# KiCad board protoboard-6x4-breakout.kicad_pcb (continued)
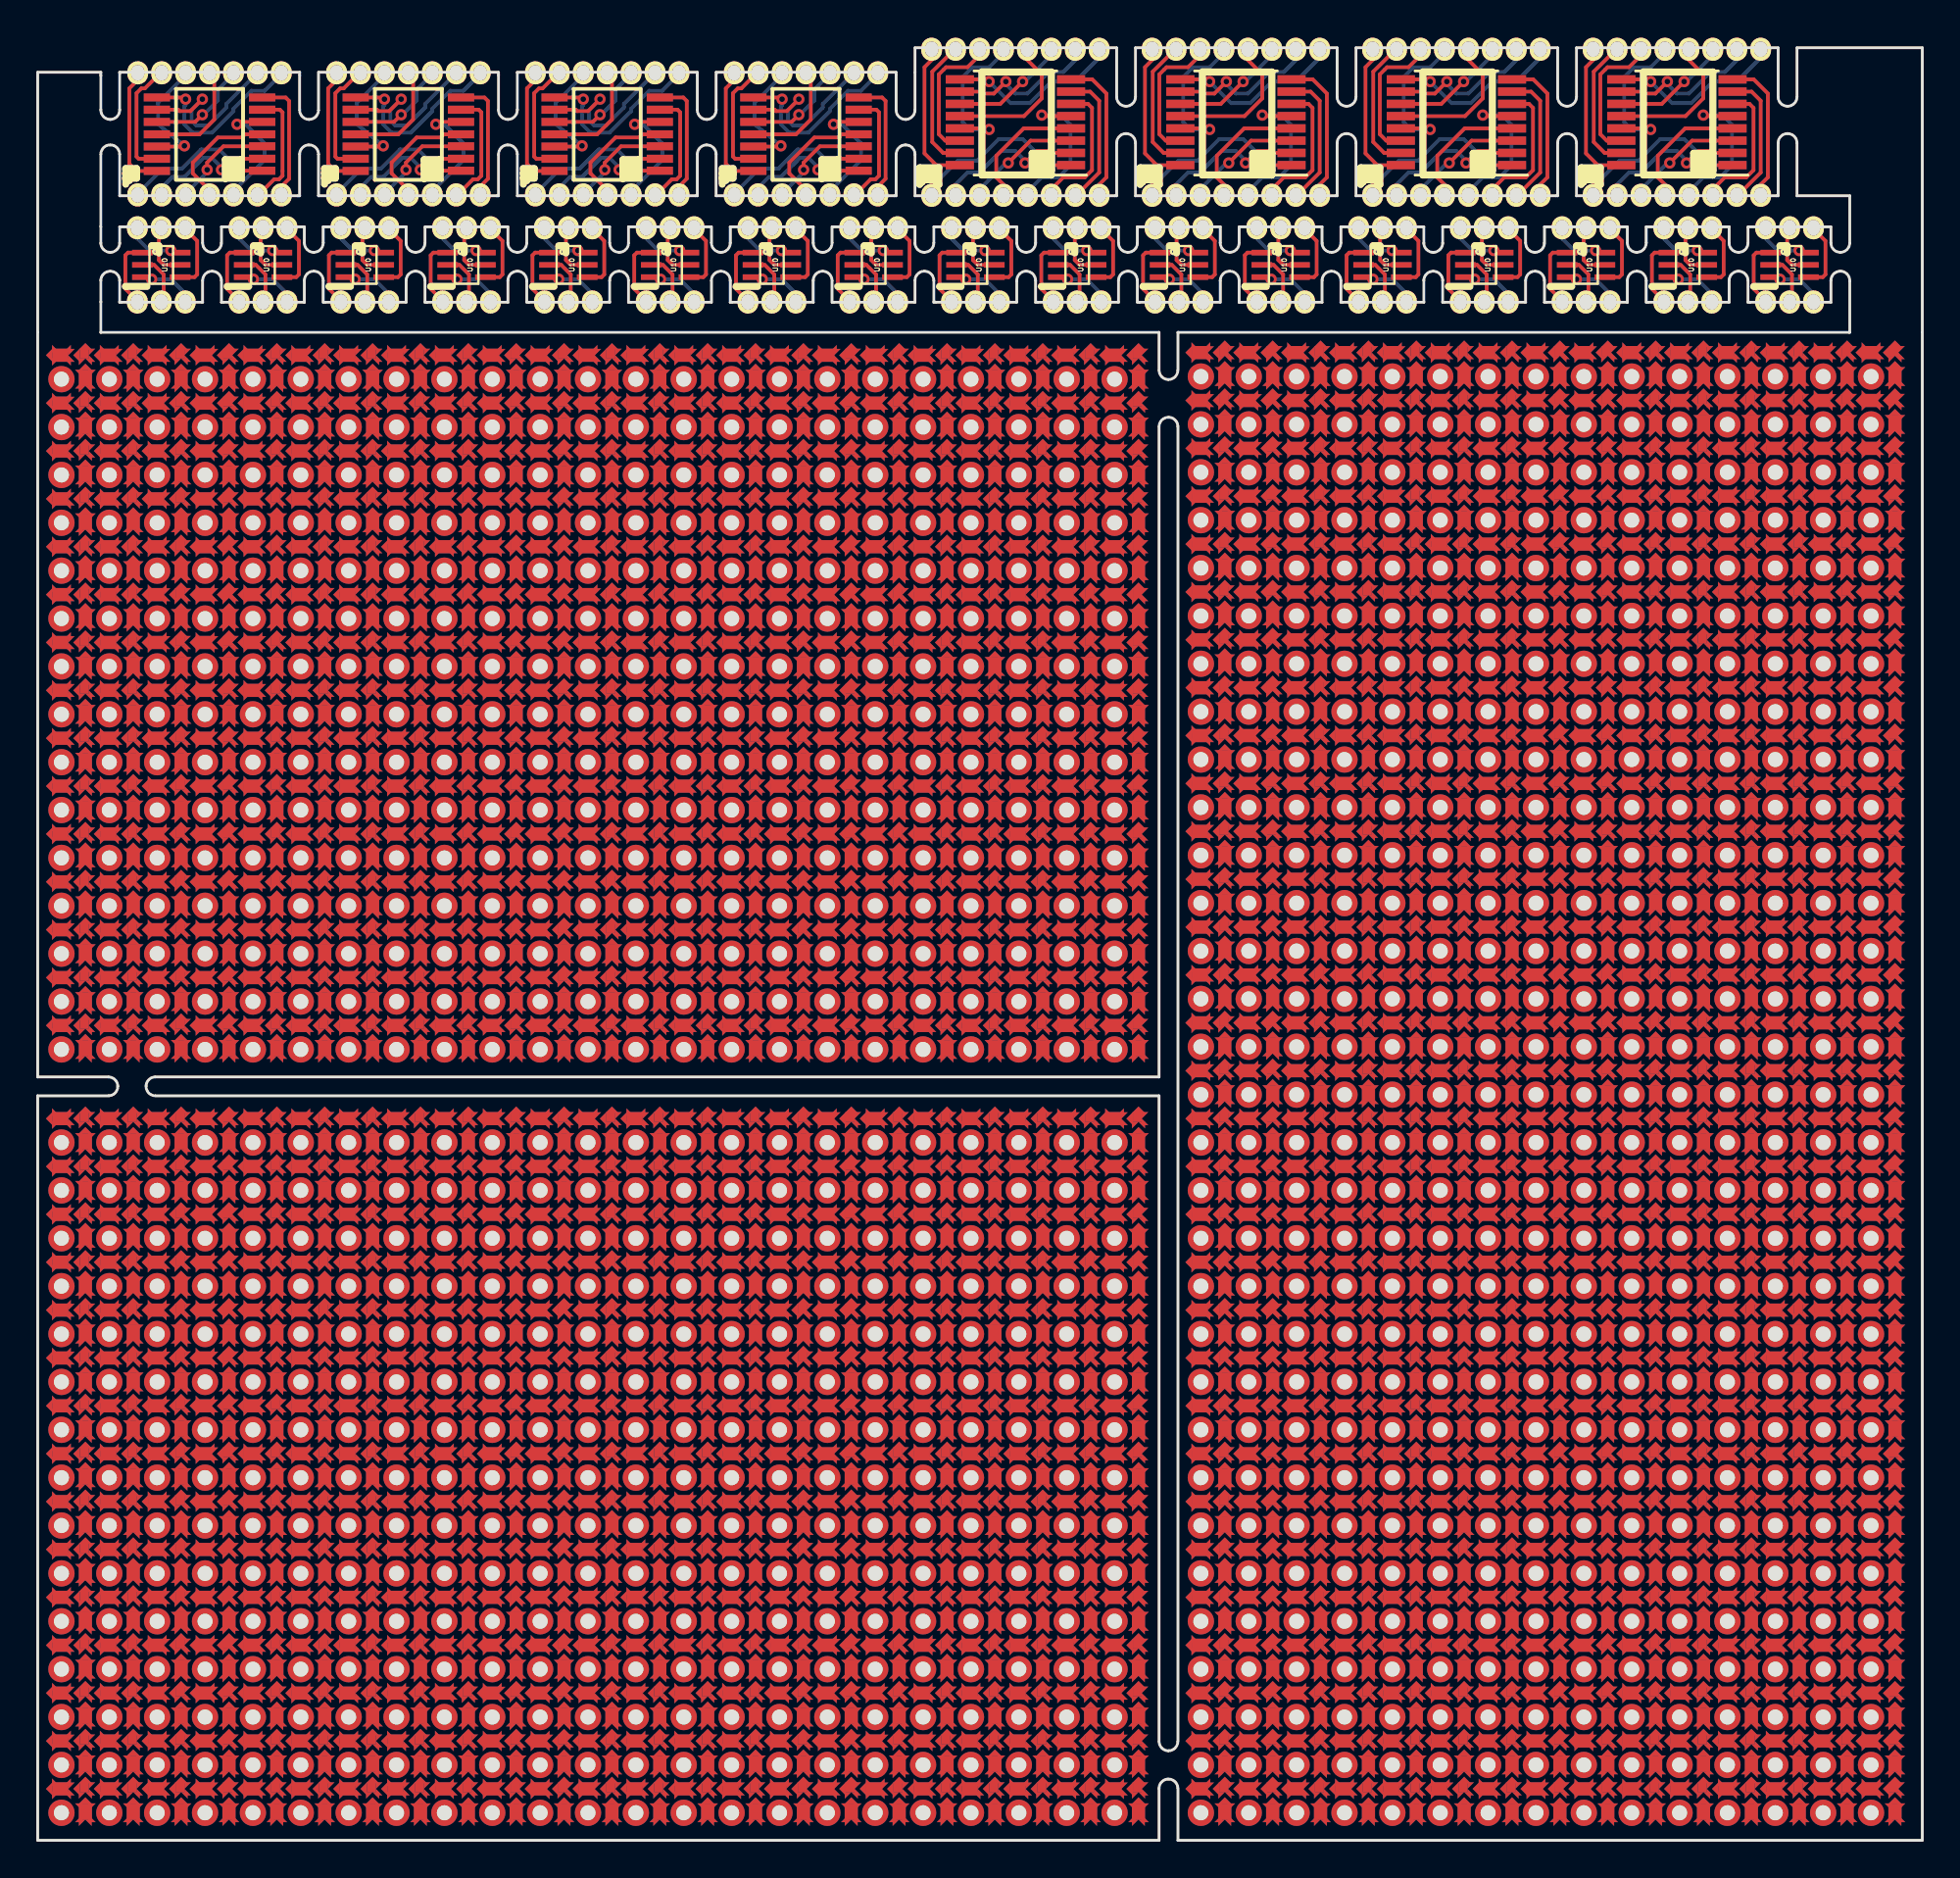
[diagram p0: board, top side]
## Placement (name value [footprint] x y rotation side) (continued)
REF**#2048  pad-between  [pad-between-spiked]  1.26 55.93 90 top
REF**#2049  pad-between  [pad-between-spiked]  8.88 55.93 90 top
REF**#2050  pad-between  [pad-between-spiked]  11.42 55.93 90 top
REF**#2051  center-pad  [center-pad-spikes]  10.15 55.93 0 top
REF**#2052  center-pad  [center-pad-spikes]  12.69 55.93 0 top
REF**#2053  pad-between  [pad-between-spiked]  13.96 55.93 90 top
REF**#2054  center-pad  [center-pad-spikes]  15.23 55.93 0 top
REF**#2055  center-pad  [center-pad-spikes]  15.23 53.39 0 top
REF**#2056  pad-between  [pad-between-spiked]  15.23 52.12 0 top
REF**#2057  pad-between  [pad-between-spiked]  15.23 54.66 0 top
REF**#2058  pad-between  [pad-between-spiked]  13.96 53.39 90 top
REF**#2059  pad-between  [pad-between-spiked]  12.69 54.66 0 top
REF**#2060  pad-between  [pad-between-spiked]  12.69 52.12 0 top
REF**#2061  center-pad  [center-pad-spikes]  12.69 53.39 0 top
REF**#2062  center-pad  [center-pad-spikes]  10.15 53.39 0 top
REF**#2063  pad-between  [pad-between-spiked]  10.15 52.12 0 top
REF**#2064  pad-between  [pad-between-spiked]  10.15 54.66 0 top
REF**#2065  pad-between  [pad-between-spiked]  11.42 53.39 90 top
REF**#2066  pad-between  [pad-between-spiked]  8.88 53.39 90 top
REF**#2067  -  [tht-0.8]  13.96 54.66 0 top
REF**#2068  -  [tht-0.8]  11.42 54.66 0 top
REF**#2069  -  [tht-0.8]  8.88 54.66 0 top
REF**#2070  -  [tht-0.8]  8.88 52.12 0 top
REF**#2071  -  [tht-0.8]  11.42 52.12 0 top
REF**#2072  -  [tht-0.8]  13.96 52.12 0 top
REF**#2073  -  [tht-0.8]  29.2 52.12 0 top
REF**#2074  -  [tht-0.8]  26.66 52.12 0 top
REF**#2075  -  [tht-0.8]  24.12 52.12 0 top
REF**#2076  -  [tht-0.8]  24.12 54.66 0 top
REF**#2077  -  [tht-0.8]  26.66 54.66 0 top
REF**#2078  -  [tht-0.8]  29.2 54.66 0 top
REF**#2079  pad-between  [pad-between-spiked]  24.12 53.39 90 top
REF**#2080  pad-between  [pad-between-spiked]  26.66 53.39 90 top
REF**#2081  pad-between  [pad-between-spiked]  25.39 54.66 0 top
REF**#2082  pad-between  [pad-between-spiked]  25.39 52.12 0 top
REF**#2083  center-pad  [center-pad-spikes]  25.39 53.39 0 top
REF**#2084  center-pad  [center-pad-spikes]  27.93 53.39 0 top
REF**#2085  pad-between  [pad-between-spiked]  27.93 52.12 0 top
REF**#2086  pad-between  [pad-between-spiked]  27.93 54.66 0 top
REF**#2087  pad-between  [pad-between-spiked]  29.2 53.39 90 top
REF**#2088  pad-between  [pad-between-spiked]  30.47 54.66 0 top
REF**#2089  pad-between  [pad-between-spiked]  30.47 52.12 0 top
REF**#2090  center-pad  [center-pad-spikes]  30.47 53.39 0 top
REF**#2091  center-pad  [center-pad-spikes]  30.47 55.93 0 top
REF**#2092  pad-between  [pad-between-spiked]  29.2 55.93 90 top
REF**#2093  center-pad  [center-pad-spikes]  27.93 55.93 0 top
REF**#2094  center-pad  [center-pad-spikes]  25.39 55.93 0 top
REF**#2095  pad-between  [pad-between-spiked]  26.66 55.93 90 top
REF**#2096  pad-between  [pad-between-spiked]  24.12 55.93 90 top
REF**#2097  pad-between  [pad-between-spiked]  16.5 55.93 90 top
REF**#2098  pad-between  [pad-between-spiked]  19.04 55.93 90 top
REF**#2099  center-pad  [center-pad-spikes]  17.77 55.93 0 top
REF**#2100  center-pad  [center-pad-spikes]  20.31 55.93 0 top
REF**#2101  pad-between  [pad-between-spiked]  21.58 55.93 90 top
REF**#2102  center-pad  [center-pad-spikes]  22.85 55.93 0 top
REF**#2103  center-pad  [center-pad-spikes]  22.85 53.39 0 top
REF**#2104  pad-between  [pad-between-spiked]  22.85 52.12 0 top
REF**#2105  pad-between  [pad-between-spiked]  22.85 54.66 0 top
REF**#2106  pad-between  [pad-between-spiked]  21.58 53.39 90 top
REF**#2107  pad-between  [pad-between-spiked]  20.31 54.66 0 top
REF**#2108  pad-between  [pad-between-spiked]  20.31 52.12 0 top
REF**#2109  center-pad  [center-pad-spikes]  20.31 53.39 0 top
REF**#2110  center-pad  [center-pad-spikes]  17.77 53.39 0 top
REF**#2111  pad-between  [pad-between-spiked]  17.77 52.12 0 top
REF**#2112  pad-between  [pad-between-spiked]  17.77 54.66 0 top
REF**#2113  pad-between  [pad-between-spiked]  19.04 53.39 90 top
REF**#2114  pad-between  [pad-between-spiked]  16.5 53.39 90 top
REF**#2115  -  [tht-0.8]  21.58 54.66 0 top
REF**#2116  -  [tht-0.8]  19.04 54.66 0 top
REF**#2117  -  [tht-0.8]  16.5 54.66 0 top
REF**#2118  -  [tht-0.8]  16.5 52.12 0 top
REF**#2119  -  [tht-0.8]  19.04 52.12 0 top
REF**#2120  -  [tht-0.8]  21.58 52.12 0 top
REF**#2121  -  [tht-0.8]  52.06 52.12 0 top
REF**#2122  -  [tht-0.8]  49.52 52.12 0 top
REF**#2123  -  [tht-0.8]  46.98 52.12 0 top
REF**#2124  -  [tht-0.8]  46.98 54.66 0 top
REF**#2125  -  [tht-0.8]  49.52 54.66 0 top
REF**#2126  -  [tht-0.8]  52.06 54.66 0 top
REF**#2127  pad-between  [pad-between-spiked]  46.98 53.39 90 top
REF**#2128  pad-between  [pad-between-spiked]  49.52 53.39 90 top
REF**#2129  pad-between  [pad-between-spiked]  48.25 54.66 0 top
REF**#2130  pad-between  [pad-between-spiked]  48.25 52.12 0 top
REF**#2131  center-pad  [center-pad-spikes]  48.25 53.39 0 top
REF**#2132  center-pad  [center-pad-spikes]  50.79 53.39 0 top
REF**#2133  pad-between  [pad-between-spiked]  50.79 52.12 0 top
REF**#2134  pad-between  [pad-between-spiked]  50.79 54.66 0 top
REF**#2135  pad-between  [pad-between-spiked]  52.06 53.39 90 top
REF**#2136  pad-between  [pad-between-spiked]  53.33 54.66 0 top
REF**#2137  pad-between  [pad-between-spiked]  53.33 52.12 0 top
REF**#2138  center-pad  [center-pad-spikes]  53.33 53.39 0 top
REF**#2139  center-pad  [center-pad-spikes]  53.33 55.93 0 top
REF**#2140  pad-between  [pad-between-spiked]  52.06 55.93 90 top
REF**#2141  center-pad  [center-pad-spikes]  50.79 55.93 0 top
REF**#2142  center-pad  [center-pad-spikes]  48.25 55.93 0 top
REF**#2143  pad-between  [pad-between-spiked]  49.52 55.93 90 top
REF**#2144  pad-between  [pad-between-spiked]  46.98 55.93 90 top
REF**#2145  pad-between  [pad-between-spiked]  54.6 55.93 90 top
REF**#2146  pad-between  [pad-between-spiked]  57.14 55.93 90 top
REF**#2147  center-pad  [center-pad-spikes]  55.87 55.93 0 top
REF**#2148  center-pad  [center-pad-spikes]  58.41 55.93 0 top
REF**#2149  pad-between  [pad-between-spiked]  58.41 54.66 0 top
REF**#2150  pad-between  [pad-between-spiked]  58.41 52.12 0 top
REF**#2151  center-pad  [center-pad-spikes]  58.41 53.39 0 top
REF**#2152  center-pad  [center-pad-spikes]  55.87 53.39 0 top
REF**#2153  pad-between  [pad-between-spiked]  55.87 52.12 0 top
REF**#2154  pad-between  [pad-between-spiked]  55.87 54.66 0 top
REF**#2155  pad-between  [pad-between-spiked]  57.14 53.39 90 top
REF**#2156  pad-between  [pad-between-spiked]  54.6 53.39 90 top
REF**#2157  -  [tht-0.8]  57.14 54.66 0 top
REF**#2158  -  [tht-0.8]  54.6 54.66 0 top
REF**#2159  -  [tht-0.8]  54.6 52.12 0 top
REF**#2160  -  [tht-0.8]  57.14 52.12 0 top
REF**#2161  -  [tht-0.8]  44.44 52.12 0 top
REF**#2162  -  [tht-0.8]  41.9 52.12 0 top
REF**#2163  -  [tht-0.8]  39.36 52.12 0 top
REF**#2164  -  [tht-0.8]  39.36 54.66 0 top
REF**#2165  -  [tht-0.8]  41.9 54.66 0 top
REF**#2166  -  [tht-0.8]  44.44 54.66 0 top
REF**#2167  pad-between  [pad-between-spiked]  39.36 53.39 90 top
REF**#2168  pad-between  [pad-between-spiked]  41.9 53.39 90 top
REF**#2169  pad-between  [pad-between-spiked]  40.63 54.66 0 top
REF**#2170  pad-between  [pad-between-spiked]  40.63 52.12 0 top
REF**#2171  center-pad  [center-pad-spikes]  40.63 53.39 0 top
REF**#2172  center-pad  [center-pad-spikes]  43.17 53.39 0 top
REF**#2173  pad-between  [pad-between-spiked]  43.17 52.12 0 top
REF**#2174  pad-between  [pad-between-spiked]  43.17 54.66 0 top
REF**#2175  pad-between  [pad-between-spiked]  44.44 53.39 90 top
REF**#2176  pad-between  [pad-between-spiked]  45.71 54.66 0 top
REF**#2177  pad-between  [pad-between-spiked]  45.71 52.12 0 top
REF**#2178  center-pad  [center-pad-spikes]  45.71 53.39 0 top
REF**#2179  center-pad  [center-pad-spikes]  45.71 55.93 0 top
REF**#2180  pad-between  [pad-between-spiked]  44.44 55.93 90 top
REF**#2181  center-pad  [center-pad-spikes]  43.17 55.93 0 top
REF**#2182  center-pad  [center-pad-spikes]  40.63 55.93 0 top
REF**#2183  pad-between  [pad-between-spiked]  41.9 55.93 90 top
REF**#2184  pad-between  [pad-between-spiked]  39.36 55.93 90 top
REF**#2185  pad-between  [pad-between-spiked]  31.74 55.93 90 top
REF**#2186  pad-between  [pad-between-spiked]  34.28 55.93 90 top
REF**#2187  center-pad  [center-pad-spikes]  33.01 55.93 0 top
REF**#2188  center-pad  [center-pad-spikes]  35.55 55.93 0 top
REF**#2189  pad-between  [pad-between-spiked]  36.82 55.93 90 top
REF**#2190  center-pad  [center-pad-spikes]  38.09 55.93 0 top
REF**#2191  center-pad  [center-pad-spikes]  38.09 53.39 0 top
REF**#2192  pad-between  [pad-between-spiked]  38.09 52.12 0 top
REF**#2193  pad-between  [pad-between-spiked]  38.09 54.66 0 top
REF**#2194  pad-between  [pad-between-spiked]  36.82 53.39 90 top
REF**#2195  pad-between  [pad-between-spiked]  35.55 54.66 0 top
REF**#2196  pad-between  [pad-between-spiked]  35.55 52.12 0 top
REF**#2197  center-pad  [center-pad-spikes]  35.55 53.39 0 top
REF**#2198  center-pad  [center-pad-spikes]  33.01 53.39 0 top
REF**#2199  pad-between  [pad-between-spiked]  33.01 52.12 0 top
REF**#2200  pad-between  [pad-between-spiked]  33.01 54.66 0 top
REF**#2201  pad-between  [pad-between-spiked]  34.28 53.39 90 top
REF**#2202  pad-between  [pad-between-spiked]  31.74 53.39 90 top
REF**#2203  -  [tht-0.8]  36.82 54.66 0 top
REF**#2204  -  [tht-0.8]  34.28 54.66 0 top
REF**#2205  -  [tht-0.8]  31.74 54.66 0 top
REF**#2206  -  [tht-0.8]  31.74 52.12 0 top
REF**#2207  -  [tht-0.8]  34.28 52.12 0 top
REF**#2208  -  [tht-0.8]  36.82 52.12 0 top
REF**#2209  -  [tht-0.8]  36.82 57.2 0 top
REF**#2210  -  [tht-0.8]  34.28 57.2 0 top
REF**#2211  -  [tht-0.8]  31.74 57.2 0 top
REF**#2212  -  [tht-0.8]  31.74 59.74 0 top
REF**#2213  -  [tht-0.8]  34.28 59.74 0 top
REF**#2214  -  [tht-0.8]  36.82 59.74 0 top
REF**#2215  pad-between  [pad-between-spiked]  31.74 58.47 90 top
REF**#2216  pad-between  [pad-between-spiked]  34.28 58.47 90 top
REF**#2217  pad-between  [pad-between-spiked]  33.01 59.74 0 top
REF**#2218  pad-between  [pad-between-spiked]  33.01 57.2 0 top
REF**#2219  center-pad  [center-pad-spikes]  33.01 58.47 0 top
REF**#2220  center-pad  [center-pad-spikes]  35.55 58.47 0 top
REF**#2221  pad-between  [pad-between-spiked]  35.55 57.2 0 top
REF**#2222  pad-between  [pad-between-spiked]  35.55 59.74 0 top
REF**#2223  pad-between  [pad-between-spiked]  36.82 58.47 90 top
REF**#2224  pad-between  [pad-between-spiked]  38.09 59.74 0 top
REF**#2225  pad-between  [pad-between-spiked]  38.09 57.2 0 top
REF**#2226  center-pad  [center-pad-spikes]  38.09 58.47 0 top
REF**#2227  center-pad  [center-pad-spikes]  38.09 61.01 0 top
REF**#2228  pad-between  [pad-between-spiked]  36.82 61.01 90 top
REF**#2229  center-pad  [center-pad-spikes]  35.55 61.01 0 top
REF**#2230  center-pad  [center-pad-spikes]  33.01 61.01 0 top
REF**#2231  pad-between  [pad-between-spiked]  34.28 61.01 90 top
REF**#2232  pad-between  [pad-between-spiked]  31.74 61.01 90 top
REF**#2233  pad-between  [pad-between-spiked]  39.36 61.01 90 top
REF**#2234  pad-between  [pad-between-spiked]  41.9 61.01 90 top
REF**#2235  center-pad  [center-pad-spikes]  40.63 61.01 0 top
REF**#2236  center-pad  [center-pad-spikes]  43.17 61.01 0 top
REF**#2237  pad-between  [pad-between-spiked]  44.44 61.01 90 top
REF**#2238  center-pad  [center-pad-spikes]  45.71 61.01 0 top
REF**#2239  center-pad  [center-pad-spikes]  45.71 58.47 0 top
REF**#2240  pad-between  [pad-between-spiked]  45.71 57.2 0 top
REF**#2241  pad-between  [pad-between-spiked]  45.71 59.74 0 top
REF**#2242  pad-between  [pad-between-spiked]  44.44 58.47 90 top
REF**#2243  pad-between  [pad-between-spiked]  43.17 59.74 0 top
REF**#2244  pad-between  [pad-between-spiked]  43.17 57.2 0 top
REF**#2245  center-pad  [center-pad-spikes]  43.17 58.47 0 top
REF**#2246  center-pad  [center-pad-spikes]  40.63 58.47 0 top
REF**#2247  pad-between  [pad-between-spiked]  40.63 57.2 0 top
REF**#2248  pad-between  [pad-between-spiked]  40.63 59.74 0 top
REF**#2249  pad-between  [pad-between-spiked]  41.9 58.47 90 top
REF**#2250  pad-between  [pad-between-spiked]  39.36 58.47 90 top
REF**#2251  -  [tht-0.8]  44.44 59.74 0 top
REF**#2252  -  [tht-0.8]  41.9 59.74 0 top
REF**#2253  -  [tht-0.8]  39.36 59.74 0 top
REF**#2254  -  [tht-0.8]  39.36 57.2 0 top
REF**#2255  -  [tht-0.8]  41.9 57.2 0 top
REF**#2256  -  [tht-0.8]  44.44 57.2 0 top
REF**#2257  -  [tht-0.8]  57.14 57.2 0 top
REF**#2258  -  [tht-0.8]  54.6 57.2 0 top
REF**#2259  -  [tht-0.8]  54.6 59.74 0 top
REF**#2260  -  [tht-0.8]  57.14 59.74 0 top
REF**#2261  pad-between  [pad-between-spiked]  54.6 58.47 90 top
REF**#2262  pad-between  [pad-between-spiked]  57.14 58.47 90 top
REF**#2263  pad-between  [pad-between-spiked]  55.87 59.74 0 top
REF**#2264  pad-between  [pad-between-spiked]  55.87 57.2 0 top
REF**#2265  center-pad  [center-pad-spikes]  55.87 58.47 0 top
REF**#2266  center-pad  [center-pad-spikes]  58.41 58.47 0 top
REF**#2267  pad-between  [pad-between-spiked]  58.41 57.2 0 top
REF**#2268  pad-between  [pad-between-spiked]  58.41 59.74 0 top
REF**#2269  center-pad  [center-pad-spikes]  58.41 61.01 0 top
REF**#2270  center-pad  [center-pad-spikes]  55.87 61.01 0 top
REF**#2271  pad-between  [pad-between-spiked]  57.14 61.01 90 top
REF**#2272  pad-between  [pad-between-spiked]  54.6 61.01 90 top
REF**#2273  pad-between  [pad-between-spiked]  46.98 61.01 90 top
REF**#2274  pad-between  [pad-between-spiked]  49.52 61.01 90 top
REF**#2275  center-pad  [center-pad-spikes]  48.25 61.01 0 top
REF**#2276  center-pad  [center-pad-spikes]  50.79 61.01 0 top
REF**#2277  pad-between  [pad-between-spiked]  52.06 61.01 90 top
REF**#2278  center-pad  [center-pad-spikes]  53.33 61.01 0 top
REF**#2279  center-pad  [center-pad-spikes]  53.33 58.47 0 top
REF**#2280  pad-between  [pad-between-spiked]  53.33 57.2 0 top
REF**#2281  pad-between  [pad-between-spiked]  53.33 59.74 0 top
REF**#2282  pad-between  [pad-between-spiked]  52.06 58.47 90 top
REF**#2283  pad-between  [pad-between-spiked]  50.79 59.74 0 top
REF**#2284  pad-between  [pad-between-spiked]  50.79 57.2 0 top
REF**#2285  center-pad  [center-pad-spikes]  50.79 58.47 0 top
REF**#2286  center-pad  [center-pad-spikes]  48.25 58.47 0 top
REF**#2287  pad-between  [pad-between-spiked]  48.25 57.2 0 top
REF**#2288  pad-between  [pad-between-spiked]  48.25 59.74 0 top
REF**#2289  pad-between  [pad-between-spiked]  49.52 58.47 90 top
REF**#2290  pad-between  [pad-between-spiked]  46.98 58.47 90 top
REF**#2291  -  [tht-0.8]  52.06 59.74 0 top
REF**#2292  -  [tht-0.8]  49.52 59.74 0 top
REF**#2293  -  [tht-0.8]  46.98 59.74 0 top
REF**#2294  -  [tht-0.8]  46.98 57.2 0 top
REF**#2295  -  [tht-0.8]  49.52 57.2 0 top
REF**#2296  -  [tht-0.8]  52.06 57.2 0 top
REF**#2297  -  [tht-0.8]  21.58 57.2 0 top
REF**#2298  -  [tht-0.8]  19.04 57.2 0 top
REF**#2299  -  [tht-0.8]  16.5 57.2 0 top
REF**#2300  -  [tht-0.8]  16.5 59.74 0 top
REF**#2301  -  [tht-0.8]  19.04 59.74 0 top
REF**#2302  -  [tht-0.8]  21.58 59.74 0 top
REF**#2303  pad-between  [pad-between-spiked]  16.5 58.47 90 top
REF**#2304  pad-between  [pad-between-spiked]  19.04 58.47 90 top
REF**#2305  pad-between  [pad-between-spiked]  17.77 59.74 0 top
REF**#2306  pad-between  [pad-between-spiked]  17.77 57.2 0 top
REF**#2307  center-pad  [center-pad-spikes]  17.77 58.47 0 top
REF**#2308  center-pad  [center-pad-spikes]  20.31 58.47 0 top
REF**#2309  pad-between  [pad-between-spiked]  20.31 57.2 0 top
REF**#2310  pad-between  [pad-between-spiked]  20.31 59.74 0 top
REF**#2311  pad-between  [pad-between-spiked]  21.58 58.47 90 top
REF**#2312  pad-between  [pad-between-spiked]  22.85 59.74 0 top
REF**#2313  pad-between  [pad-between-spiked]  22.85 57.2 0 top
REF**#2314  center-pad  [center-pad-spikes]  22.85 58.47 0 top
REF**#2315  center-pad  [center-pad-spikes]  22.85 61.01 0 top
REF**#2316  pad-between  [pad-between-spiked]  21.58 61.01 90 top
REF**#2317  center-pad  [center-pad-spikes]  20.31 61.01 0 top
REF**#2318  center-pad  [center-pad-spikes]  17.77 61.01 0 top
REF**#2319  pad-between  [pad-between-spiked]  19.04 61.01 90 top
REF**#2320  pad-between  [pad-between-spiked]  16.5 61.01 90 top
REF**#2321  pad-between  [pad-between-spiked]  24.12 61.01 90 top
REF**#2322  pad-between  [pad-between-spiked]  26.66 61.01 90 top
REF**#2323  center-pad  [center-pad-spikes]  25.39 61.01 0 top
REF**#2324  center-pad  [center-pad-spikes]  27.93 61.01 0 top
REF**#2325  pad-between  [pad-between-spiked]  29.2 61.01 90 top
REF**#2326  center-pad  [center-pad-spikes]  30.47 61.01 0 top
REF**#2327  center-pad  [center-pad-spikes]  30.47 58.47 0 top
REF**#2328  pad-between  [pad-between-spiked]  30.47 57.2 0 top
REF**#2329  pad-between  [pad-between-spiked]  30.47 59.74 0 top
REF**#2330  pad-between  [pad-between-spiked]  29.2 58.47 90 top
REF**#2331  pad-between  [pad-between-spiked]  27.93 59.74 0 top
REF**#2332  pad-between  [pad-between-spiked]  27.93 57.2 0 top
REF**#2333  center-pad  [center-pad-spikes]  27.93 58.47 0 top
REF**#2334  center-pad  [center-pad-spikes]  25.39 58.47 0 top
REF**#2335  pad-between  [pad-between-spiked]  25.39 57.2 0 top
REF**#2336  pad-between  [pad-between-spiked]  25.39 59.74 0 top
REF**#2337  pad-between  [pad-between-spiked]  26.66 58.47 90 top
REF**#2338  pad-between  [pad-between-spiked]  24.12 58.47 90 top
REF**#2339  -  [tht-0.8]  29.2 59.74 0 top
REF**#2340  -  [tht-0.8]  26.66 59.74 0 top
REF**#2341  -  [tht-0.8]  24.12 59.74 0 top
REF**#2342  -  [tht-0.8]  24.12 57.2 0 top
REF**#2343  -  [tht-0.8]  26.66 57.2 0 top
REF**#2344  -  [tht-0.8]  29.2 57.2 0 top
REF**#2345  -  [tht-0.8]  13.96 57.2 0 top
REF**#2346  -  [tht-0.8]  11.42 57.2 0 top
REF**#2347  -  [tht-0.8]  8.88 57.2 0 top
REF**#2348  -  [tht-0.8]  8.88 59.74 0 top
REF**#2349  -  [tht-0.8]  11.42 59.74 0 top
REF**#2350  -  [tht-0.8]  13.96 59.74 0 top
REF**#2351  pad-between  [pad-between-spiked]  8.88 58.47 90 top
REF**#2352  pad-between  [pad-between-spiked]  11.42 58.47 90 top
REF**#2353  pad-between  [pad-between-spiked]  10.15 59.74 0 top
REF**#2354  pad-between  [pad-between-spiked]  10.15 57.2 0 top
REF**#2355  center-pad  [center-pad-spikes]  10.15 58.47 0 top
REF**#2356  center-pad  [center-pad-spikes]  12.69 58.47 0 top
REF**#2357  pad-between  [pad-between-spiked]  12.69 57.2 0 top
REF**#2358  pad-between  [pad-between-spiked]  12.69 59.74 0 top
REF**#2359  pad-between  [pad-between-spiked]  13.96 58.47 90 top
REF**#2360  pad-between  [pad-between-spiked]  15.23 59.74 0 top
REF**#2361  pad-between  [pad-between-spiked]  15.23 57.2 0 top
REF**#2362  center-pad  [center-pad-spikes]  15.23 58.47 0 top
REF**#2363  center-pad  [center-pad-spikes]  15.23 61.01 0 top
REF**#2364  pad-between  [pad-between-spiked]  13.96 61.01 90 top
REF**#2365  center-pad  [center-pad-spikes]  12.69 61.01 0 top
REF**#2366  center-pad  [center-pad-spikes]  10.15 61.01 0 top
REF**#2367  pad-between  [pad-between-spiked]  11.42 61.01 90 top
REF**#2368  pad-between  [pad-between-spiked]  8.88 61.01 90 top
REF**#2369  pad-between  [pad-between-spiked]  1.26 61.01 90 top
REF**#2370  pad-between  [pad-between-spiked]  3.8 61.01 90 top
REF**#2371  center-pad  [center-pad-spikes]  2.53 61.01 0 top
REF**#2372  center-pad  [center-pad-spikes]  5.07 61.01 0 top
REF**#2373  pad-between  [pad-between-spiked]  6.34 61.01 90 top
REF**#2374  center-pad  [center-pad-spikes]  7.61 61.01 0 top
REF**#2375  center-pad  [center-pad-spikes]  7.61 58.47 0 top
REF**#2376  pad-between  [pad-between-spiked]  7.61 57.2 0 top
REF**#2377  pad-between  [pad-between-spiked]  7.61 59.74 0 top
REF**#2378  pad-between  [pad-between-spiked]  6.34 58.47 90 top
REF**#2379  pad-between  [pad-between-spiked]  5.07 59.74 0 top
REF**#2380  pad-between  [pad-between-spiked]  5.07 57.2 0 top
REF**#2381  center-pad  [center-pad-spikes]  5.07 58.47 0 top
REF**#2382  center-pad  [center-pad-spikes]  2.53 58.47 0 top
REF**#2383  pad-between  [pad-between-spiked]  2.53 57.2 0 top
REF**#2384  pad-between  [pad-between-spiked]  2.53 59.74 0 top
REF**#2385  pad-between  [pad-between-spiked]  3.8 58.47 90 top
REF**#2386  pad-between  [pad-between-spiked]  1.26 58.47 90 top
REF**#2387  -  [tht-0.8]  6.34 59.74 0 top
REF**#2388  -  [tht-0.8]  3.8 59.74 0 top
REF**#2389  -  [tht-0.8]  1.26 59.74 0 top
REF**#2390  -  [tht-0.8]  1.26 57.2 0 top
REF**#2391  -  [tht-0.8]  3.8 57.2 0 top
REF**#2392  -  [tht-0.8]  6.34 57.2 0 top
REF**#2393  -  [tht-0.8]  6.34 47.04 0 top
REF**#2394  -  [tht-0.8]  3.8 47.04 0 top
REF**#2395  -  [tht-0.8]  1.26 47.04 0 top
REF**#2396  -  [tht-0.8]  1.26 49.58 0 top
REF**#2397  -  [tht-0.8]  3.8 49.58 0 top
REF**#2398  -  [tht-0.8]  6.34 49.58 0 top
REF**#2399  pad-between  [pad-between-spiked]  1.26 48.31 90 top
REF**#2400  pad-between  [pad-between-spiked]  3.8 48.31 90 top
REF**#2401  pad-between  [pad-between-spiked]  2.53 49.58 0 top
REF**#2402  pad-between  [pad-between-spiked]  2.53 47.04 0 top
REF**#2403  center-pad  [center-pad-spikes]  2.53 48.31 0 top
REF**#2404  center-pad  [center-pad-spikes]  5.07 48.31 0 top
REF**#2405  pad-between  [pad-between-spiked]  5.07 47.04 0 top
REF**#2406  pad-between  [pad-between-spiked]  5.07 49.58 0 top
REF**#2407  pad-between  [pad-between-spiked]  6.34 48.31 90 top
REF**#2408  pad-between  [pad-between-spiked]  7.61 49.58 0 top
REF**#2409  pad-between  [pad-between-spiked]  7.61 47.04 0 top
REF**#2410  center-pad  [center-pad-spikes]  7.61 48.31 0 top
REF**#2411  center-pad  [center-pad-spikes]  7.61 50.85 0 top
REF**#2412  pad-between  [pad-between-spiked]  6.34 50.85 90 top
REF**#2413  center-pad  [center-pad-spikes]  5.07 50.85 0 top
REF**#2414  center-pad  [center-pad-spikes]  2.53 50.85 0 top
REF**#2415  pad-between  [pad-between-spiked]  3.8 50.85 90 top
REF**#2416  pad-between  [pad-between-spiked]  1.26 50.85 90 top
REF**#2417  pad-between  [pad-between-spiked]  8.88 50.85 90 top
REF**#2418  pad-between  [pad-between-spiked]  11.42 50.85 90 top
REF**#2419  center-pad  [center-pad-spikes]  10.15 50.85 0 top
REF**#2420  center-pad  [center-pad-spikes]  12.69 50.85 0 top
REF**#2421  pad-between  [pad-between-spiked]  13.96 50.85 90 top
REF**#2422  center-pad  [center-pad-spikes]  15.23 50.85 0 top
REF**#2423  center-pad  [center-pad-spikes]  15.23 48.31 0 top
REF**#2424  pad-between  [pad-between-spiked]  15.23 47.04 0 top
REF**#2425  pad-between  [pad-between-spiked]  15.23 49.58 0 top
REF**#2426  pad-between  [pad-between-spiked]  13.96 48.31 90 top
REF**#2427  pad-between  [pad-between-spiked]  12.69 49.58 0 top
REF**#2428  pad-between  [pad-between-spiked]  12.69 47.04 0 top
REF**#2429  center-pad  [center-pad-spikes]  12.69 48.31 0 top
REF**#2430  center-pad  [center-pad-spikes]  10.15 48.31 0 top
REF**#2431  pad-between  [pad-between-spiked]  10.15 47.04 0 top
REF**#2432  pad-between  [pad-between-spiked]  10.15 49.58 0 top
REF**#2433  pad-between  [pad-between-spiked]  11.42 48.31 90 top
REF**#2434  pad-between  [pad-between-spiked]  8.88 48.31 90 top
REF**#2435  -  [tht-0.8]  13.96 49.58 0 top
REF**#2436  -  [tht-0.8]  11.42 49.58 0 top
REF**#2437  -  [tht-0.8]  8.88 49.58 0 top
REF**#2438  -  [tht-0.8]  8.88 47.04 0 top
REF**#2439  -  [tht-0.8]  11.42 47.04 0 top
REF**#2440  -  [tht-0.8]  13.96 47.04 0 top
REF**#2441  -  [tht-0.8]  29.2 47.04 0 top
REF**#2442  -  [tht-0.8]  26.66 47.04 0 top
REF**#2443  -  [tht-0.8]  24.12 47.04 0 top
REF**#2444  -  [tht-0.8]  24.12 49.58 0 top
REF**#2445  -  [tht-0.8]  26.66 49.58 0 top
REF**#2446  -  [tht-0.8]  29.2 49.58 0 top
REF**#2447  pad-between  [pad-between-spiked]  24.12 48.31 90 top
REF**#2448  pad-between  [pad-between-spiked]  26.66 48.31 90 top
REF**#2449  pad-between  [pad-between-spiked]  25.39 49.58 0 top
REF**#2450  pad-between  [pad-between-spiked]  25.39 47.04 0 top
REF**#2451  center-pad  [center-pad-spikes]  25.39 48.31 0 top
REF**#2452  center-pad  [center-pad-spikes]  27.93 48.31 0 top
REF**#2453  pad-between  [pad-between-spiked]  27.93 47.04 0 top
REF**#2454  pad-between  [pad-between-spiked]  27.93 49.58 0 top
REF**#2455  pad-between  [pad-between-spiked]  29.2 48.31 90 top
REF**#2456  pad-between  [pad-between-spiked]  30.47 49.58 0 top
REF**#2457  pad-between  [pad-between-spiked]  30.47 47.04 0 top
REF**#2458  center-pad  [center-pad-spikes]  30.47 48.31 0 top
REF**#2459  center-pad  [center-pad-spikes]  30.47 50.85 0 top
REF**#2460  pad-between  [pad-between-spiked]  29.2 50.85 90 top
REF**#2461  center-pad  [center-pad-spikes]  27.93 50.85 0 top
REF**#2462  center-pad  [center-pad-spikes]  25.39 50.85 0 top
REF**#2463  pad-between  [pad-between-spiked]  26.66 50.85 90 top
REF**#2464  pad-between  [pad-between-spiked]  24.12 50.85 90 top
REF**#2465  pad-between  [pad-between-spiked]  16.5 50.85 90 top
REF**#2466  pad-between  [pad-between-spiked]  19.04 50.85 90 top
REF**#2467  center-pad  [center-pad-spikes]  17.77 50.85 0 top
REF**#2468  center-pad  [center-pad-spikes]  20.31 50.85 0 top
